# Altium PCB USBC_PD_Development_PCB.PcbDoc (part 1 of 3) (continued)
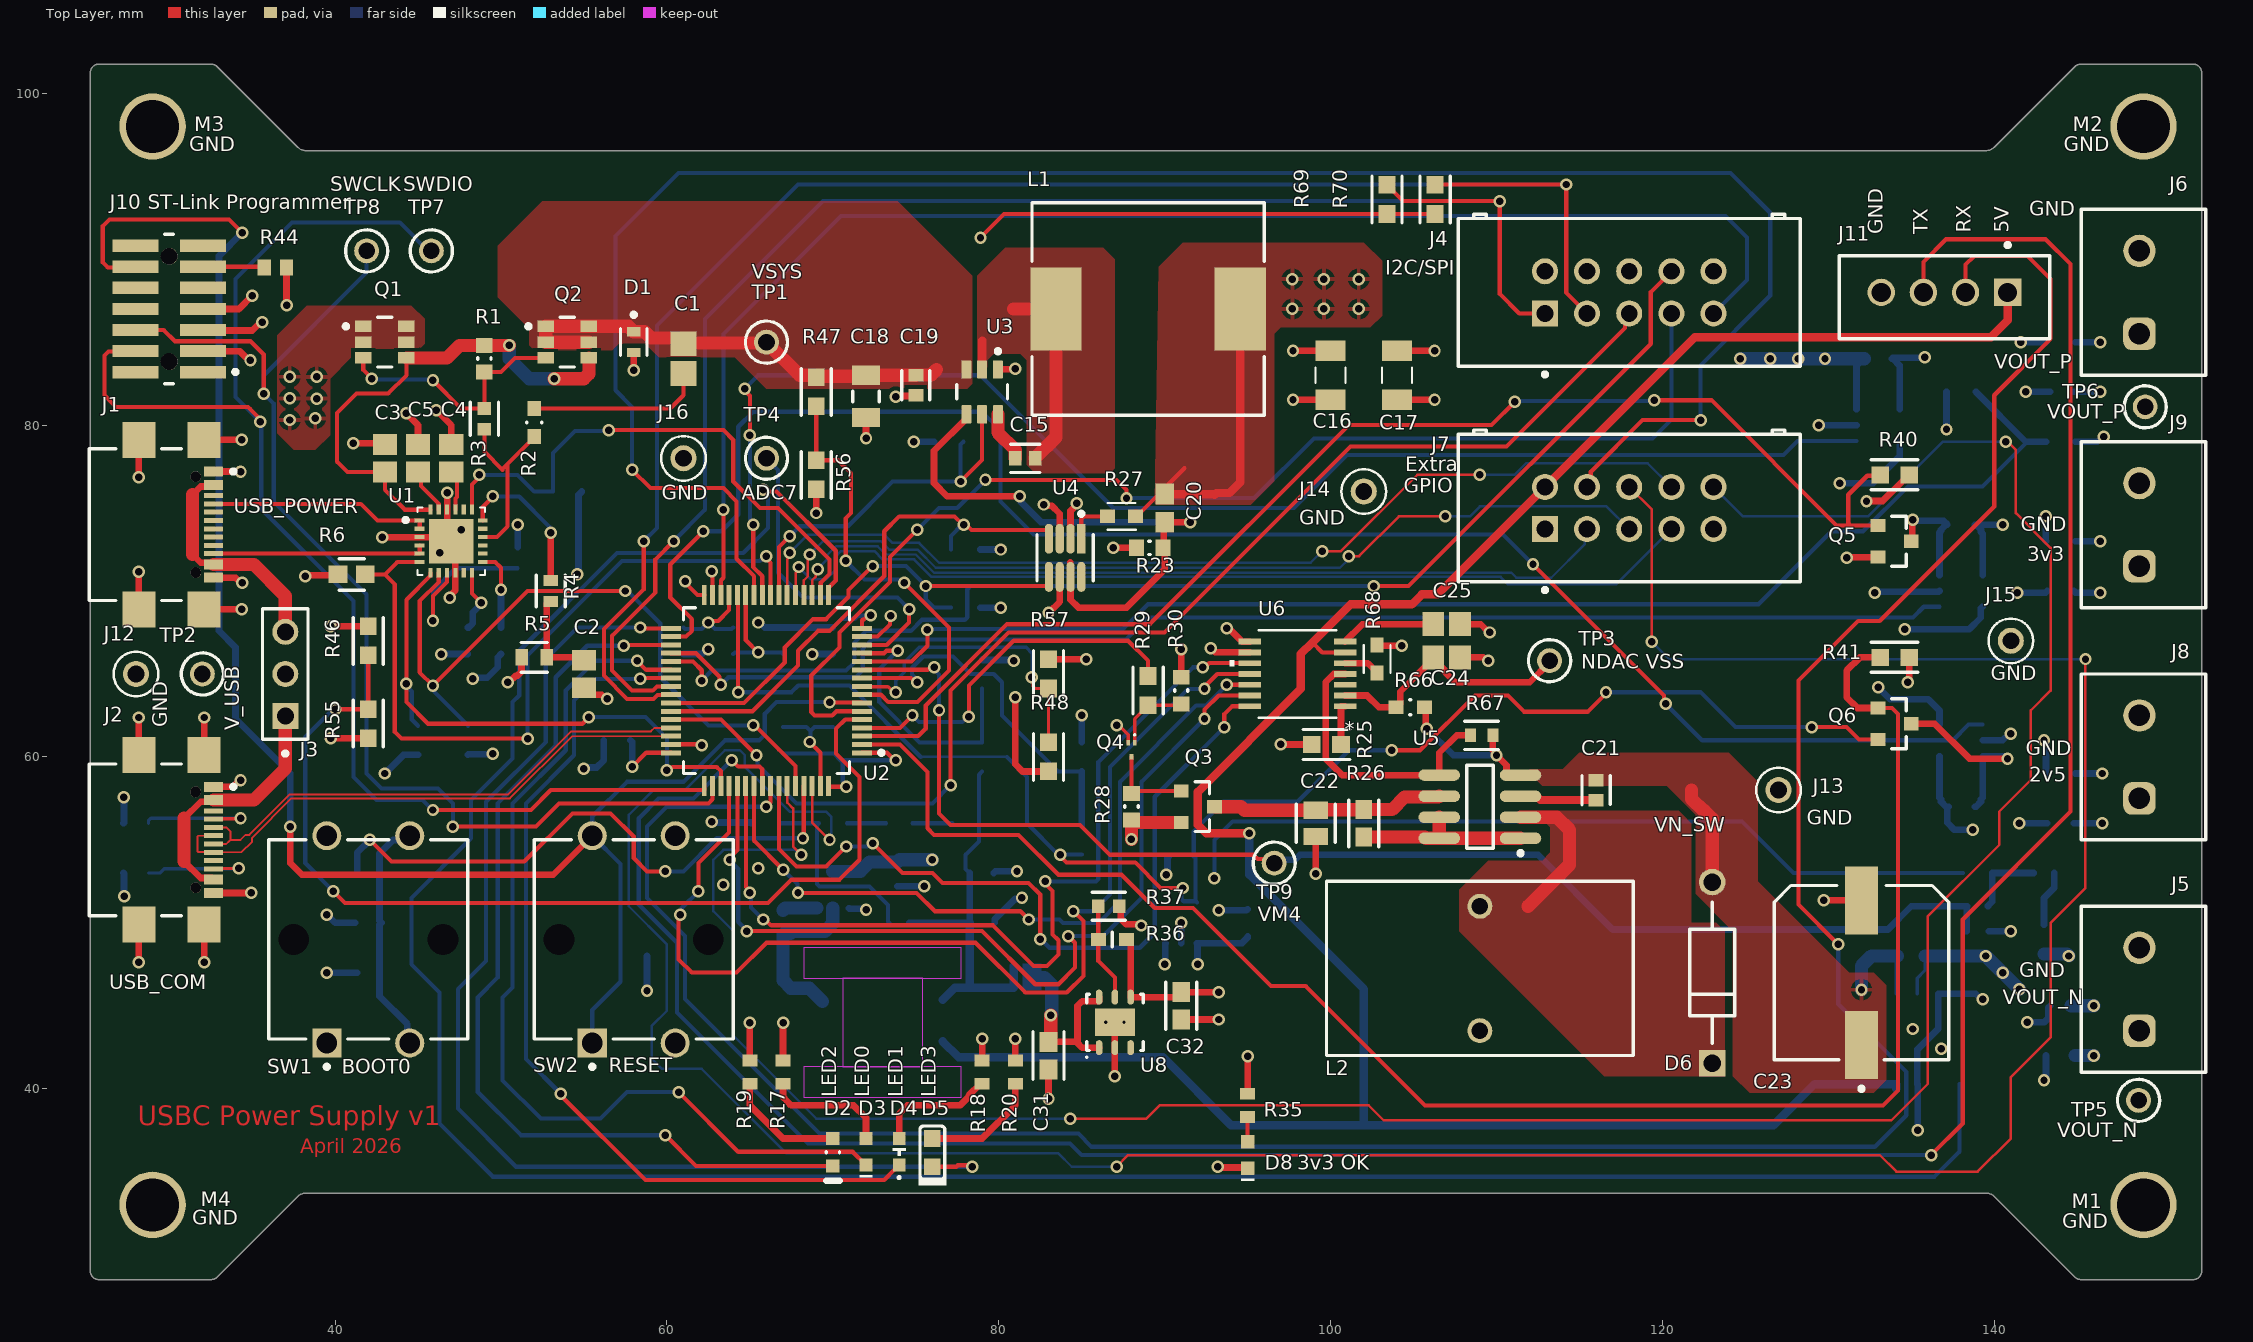
[diagram p0: Top Layer view]
## Design rules (kind name [scope] priority, off if disabled: settings)
BoardOutlineClearance [All] p1: gap=0.254 ignorepadtopadclearanceinfootprint=FALSE
Clearance [All] p1: gap=0.1 ignorepadtopadclearanceinfootprint=TRUE except(0: Arc-Hole Track-Hole SMDPad-Hole THPad-Hole Via-Hole Fill-Hole Poly-Hole Region-Hole Text-Hole; 0.15: SMDPad-SMDPad; 0.254: SMDPad-Via SMDPad-Fill SMDPad-Poly SMDPad-Region Via-Via Via-Fill Via-Poly Via-Region Fill-Fill Fill-Poly Fill-Region Poly-Poly Poly-Region Region-Region; 0.28: SMDPad-THPad SMDPad-Text THPad-THPad THPad-Via THPad-Fill THPad-Poly THPad-Region THPad-Text Via-Text Fill-Text Poly-Text Region-Text Text-Text)
DiffPairsRouting [All] p1: maxlimit=0.127 minlimit=0.127 mostfreqgap=0.127 toplayer_minwidth=0.111 toplayer_maxwidth=0.111 toplayer_prefwidth=0.111 bottomlayer_minwidth=0.111 bottomlayer_maxwidth=0.111 bottomlayer_prefwidth=0.111 impedanceprofiledriven=TRUE impedanceprofileid={F19896C7-770A-47F3-87AB-7DE8201EBE46} impedanceprofilevalue=90.000000 maxuncoupledlength=12.7
HoleSize [IsPad] p1: absolutevalues=TRUE maxlimit=10 minlimit=0.4 maxpercent=80.000 minpercent=20.000
HoleToHoleClearance [All] p1: gap=0.45 allowstackedmicrovias=TRUE
MinimumSolderMaskSliver [All] p1: minsoldermaskwidth=0.1
PlaneClearance [All] p1: clearance=0.508
PlaneConnect [All] p1: planeconnectstyle=Direct reliefexpansion=0.254 reliefentries=4 reliefconductorwidth=0.4 reliefairgap=0.254
PolygonConnect [All] p1: connectstyle=Direct reliefconductorwidth=0.254 reliefentries=4 polygonreliefangle="90 Angle" airgapwidth=0.254
RoutingVias [All] p1: holewidth=0.5 width=0.75 viastyle="Through Hole" minholewidth=0.15 minwidth=0.25 maxholewidth=6.3 maxwidth=10
SolderMaskExpansion [All] p1: expansion=0.102 istentingtop=FALSE
Width [All] p1: maxlimit=5 minlimit=0.1 preferedwidth=0.2 minimp=50.000000 maximp=50.000000 favimp=50.000000
24 further rules are at their usual default settings.

## Classes and differential pairs
component class USBC_PD_Controller: C1 C2 C3 C4 C5 D1 Q1 Q2 R1 R2 R3 R4 R5 R6 R7 R8 R9 TP1 U1
component class USB_C_Connectors: J1 J2 J3 R10 R11 TP2
component class Positive_Output: C15 C16 C17 C18 C19 C20 L1 R23 R24 R27 U3 U4
component class Negative_Output: C21 C22 C23 C24 C25 D6 L2 Q3 Q4 R25 R26 R28 R29 R30 R66 R67 R68 TP3 U5 U6
component class Measurements: R45 R46 R47 R48 R49 R50 R51 R52 R53 R54 R55 R56 R57 R58 R59 R60 R61 R62 R63 R64 R65 TP9 U10 U11 U12 U13
component class MCU: C6 C7 C8 C9 C10 C11 C12 C13 C14 D2 D3 D4 D5 R12 R13 R14 R15 R16 R17 R18 R19 R20 R21 R22 SW1 SW2 U2
component class Logic_Level_Output: C26 C27 C28 C29 C30 C31 C32 C33 C34 D7 D8 L3 R31 R32 R33 R34 R35 R36 R37 U7 U8 U9
component class External_Connectors: C35 C36 C37 C38 J4 J5 J6 J7 J8 J9 J10 J11 J12 J13 J14 J15 J16 M1 M2 M3 M4 Q5 Q6 R38 R39 R40 R41 R42 R43 R44 R69 R70 TP4 TP5 TP6 TP7 TP8
differential pair USBD: +USBD_P -USBD_N

## Components (designator, comment, footprint, x,y, rotation, side; value= is the part's Value field where it differs from the comment)
C1 "0.1u" CAPC2013X140X50ML20T25 61,84 r270 top
C2 "1uF" CAPC2013X145X50NL20T20 55,65 r270 top
C3 "1uF" CAPC2013X145X50NL20T20 43,78 r90 top
C4 "1uF" CAPC2013X145X50NL20T20 47,78 r90 top
C5 "1uF" CAPC2013X145X50NL20T20 45,78 r90 top
C6 "100n 0805" CAPC2013X145X50NL20T25 67,61 r270 bottom
C7 "100n 0805" CAPC2013X145X50NL20T25 70,61 r270 bottom
C8 "100n 0805" CAPC2013X145X50NL20T25 70,67 r90 bottom
C9 "100n 0805" CAPC2013X145X50NL20T25 67,67 r90 bottom
C10 "100n 0805" CAPC2013X145X50NL20T25 64,67 r90 bottom
C11 "1u" CAPC2013X145X50NL20T25 61,67 r90 bottom
C12 "4u7" CAPC2013X145X50NL20T25 57,61 r0 bottom
C13 "100n" CAPC2013X145X50NL20T25 58,48 r180 bottom
C14 "100n" CAPC2013X145X50NL20T25 42,50 r0 bottom
C15 "100n 50V" FP-C0603C-CF-MFG 81.6,78 r0 top value="0.10 μF"
C16 "CL31A226KAHNNNE" CL31H-0_2_MFG 100,83 r270 top
C17 "CL31A226KAHNNNE" CL31H-0_2_MFG 104,83 r270 top
C18 "10uF 50V" FP-CL31-IPC_C 72,81.724 r270 top value=10uF
C19 "100n 50V" FP-C0603C-CF-MFG 75,82.4 r270 top value="0.10 μF"
C20 "50V 75pF" CAPC1608X90X35ML15T15 90,75 r90 top
C21 "1n5" FP-C0603C-CF-MFG 116,58 r90 top value="1,500 pF"
C22 "10u" FP-C0805X106K8RACAUTO-MFG 99.1,56 r270 top
C23 "1000uF" FP-FTG-MFG 132,47 r90 top
C24 "10u" CAPC2013X145X50NL20T25 107,66 r180 top
C25 "1u" CAPC2013X145X50NL20T25 107,68 r180 top
C26 "100n" CAPC1608X90X35NL15T15 67,50 r90 bottom
C27 "10u" FP-C0805X106K8RACAUTO-MFG 74,53 r270 bottom
C28 "22u" FP-C0805C226M8PACTU-MFG 79,50 r0 bottom
C29 "22u" FP-C0805C226M8PACTU-MFG 79,53 r0 bottom
C30 "100p" FP-C0603C-CF-MFG 74,50 r180 bottom value="100 pF"
C31 "1u" FP-0603-L_1_6_0_15-W_0_81-IPC_A 83,42 r270 top
C32 "1u" FP-0603-L_1_6_0_15-W_0_81-IPC_A 91,45 r270 top
C33 "1u" FP-0603-L_1_6_0_15-W_0_81-IPC_A 95,50 r90 bottom
C34 "2u2" FP-CC0603-DC-MFG 91,54 r180 bottom
C35 "1u 35V" FP-CL10-IPC_C 144,45 r180 bottom
C36 "1u 35V" FP-CL10-IPC_C 144,82 r180 bottom
C37 "1u" CAPC2013X145X50NL20T25 144,56 r0 bottom
C38 "1u" CAPC2013X145X50NL20T25 144,70 r0 bottom
D1 "ESDA25P35-1U1M" FP-QFN_1610-MFG 58,85 r270 top
D2 "APT1608SGC" KING-APT1608SGC_V 70,36.175 r270 top
D3 "BLUE" WL-SMCW_0603_150060xx75000 72,36.2 r90 top
D4 "150060SS55040" WL-SMCD_0603 -1196,1306.2 r90 top
D5 "KP-1608SYCK" KING-0603LED_YELLOW_V 76,36.15 r90 top
D6 "1N5819-T" FP-DO-41_Plastic-MFG 123,47 r90 top value="110 pF"
D7 "PMEG3020EPASX" FP-SOT1061D-MFG 81.756,46.744 r0 bottom
D8 "BLUE" WL-SMCW_0603_150060xx75000 95,36 r90 top
J1 "USB4110-GF-A" FP-USB4110-GF-A-MFG 29,74 r270 top
J2 "USB4110-GF-A" FP-USB4110-GF-A-MFG 29,55 r270 top
J3 "22-28-4030" FP-22-28-4030-MFG 37,65 r90 top
J4 "302-S101" FP-302-S101-MFG 118,88 r0 top
J5 "691137710002" 691137710002 149,46 r90 top
J6 "691137710002" 691137710002 149,88 r90 top
J7 "302-S101" FP-302-S101-MFG 118,75 r0 top
J8 "691137710002" 691137710002 149,60 r90 top
J9 "691137710002" 691137710002 149,74 r90 top
J10 "FTSH-107-01-L-DV-K-A" FP-FTSH-107-01-L-DV-K-A-MFG 30,87 r90 top
J11 "280371-2" TECO-280371-2_V 137,88 r180 top
J12 "5001" FP-5001-MFG 28,65 r0 top
J13 "5001" FP-5001-MFG 127,58 r0 top
J14 "5001" FP-5001-MFG 102,76 r0 top
J15 "5001" FP-5001-MFG 141,67 r0 top
J16 "5001" FP-5001-MFG 61,78 r0 top
L1 "SRP1265A-100M" FP-SRP1265A-100M-MFG 89,87 r0 top
L2 "7447013" 7447013 109,47.25 r0 top
L3 "ETQP4M100KVK" FP-PCC-M0840M-LP-MFG 73,44 r0 bottom value=10uH
M1 "Mounting_Holes" Mountiing_Hole 149,33 r0 top
M2 "Mounting_Holes" Mountiing_Hole 149,98 r0 top
M3 "Mounting_Holes" Mountiing_Hole 29,98 r0 top
M4 "Mounting_Holes" Mountiing_Hole 29,33 r0 top
Q1 "FDC658P" FP-419BL-MFG 43,85 r0 top
Q2 "FDC658P" FP-419BL-MFG 54,85 r0 top
Q3 "DMG2301L-7" FP-SOT23-MFG 92,57 r0 top
Q4 "NST847BF3T5G" ONSC-SOT-1123-3-524AA_V 88,60.43 r270 top
Q5 "DMG2301L-7" FP-SOT23-MFG 134,73 r0 top
Q6 "DMG2301L-7" FP-SOT23-MFG 134,62 r0 top
R1 "100K" RESC0603(1608)_N 49,84 r90 top value="100000.00 Ohm"
R2 "120R" FP-SR0603-MFG 52,80.15 r270 top value=120Ω
R3 "CRGP0603F22K" FP-CRGP0603-IPC_C 49,80.373 r270 top value=22KΩ
R4 "1k" FP-MCT0603-IPC_C 53,70 r270 top
R5 "470R" FP-CRCW0603-HPe3-MFG 52,66 r180 top
R6 "10k" FP-CRCW0603-e3-IPC_A 41,71 r180 top
R7 "1k" FP-MCT0603-IPC_C 51,72 r270 bottom
R8 "100K" RESC0603(1608)_N 48,67 r90 bottom value="100000.00 Ohm"
R9 "100K" RESC0603(1608)_N 50,67 r90 bottom value="100000.00 Ohm"
R10 "5k1" FP-CRCW0603-C-MFG 28,56 r180 bottom
R11 "5k1" FP-CRCW0603-C-MFG 28,53 r180 bottom
R12 "4k7" FP-AC0603-IPC_A 54,76 r0 bottom
R13 "4k7" FP-AC0603-IPC_A 78,69 r0 bottom
R14 "4k7" FP-AC0603-IPC_A 78,72.5 r0 bottom
R15 "4k7" FP-AC0603-IPC_A 45,61 r270 bottom
R16 "4k7" FP-AC0603-IPC_A 48,61 r270 bottom
R17 "330R" RESC1608X55X25NL10T15 67,41 r90 top
R18 "330R" RESC1608X55X25NL10T15 79,41 r90 top
R19 "330R" RESC1608X55X25NL10T15 65,41 r90 top
R20 "330R" RESC1608X55X25NL10T15 81,41 r90 top
R21 "330R" RESC1608X55X30NL15T15 42,53 r180 bottom
R22 "10k" RESC1608X55X30NL15T15 42,47 r0 bottom
R23 "100K" RESC0603(1608)_N 89.1,72.6 r0 top value="100000.00 Ohm"
R24 "4k7" FP-AC0603-IPC_A 77,79 r0 bottom
R25 "4k7" FP-AC0603-IPC_A 99.75,60.75 r180 top
R26 "200mOhm" FP-CSR0603-IPC_A 102,56 r270 top
R27 "RT0603BRC07500RL" RESC16080X45_RT0603-0_55_MFG 87.4,74.5 r0 top
R28 "100K" RESC0603(1608)_N 88,57 r270 top value="100000.00 Ohm"
R29 "4k7" FP-AC0603-IPC_A 89,64 r90 top
R30 "100K" RESC0603(1608)_N 91,64 r270 top value="100000.00 Ohm"
R31 "100K" RESC0603(1608)_N 78,56 r0 bottom value="100000.00 Ohm"
R32 "100K" RESC0603(1608)_N 74,56 r0 bottom value="100000.00 Ohm"
R33 "47k" FP-AT0603-MFG 70,56 r180 bottom
R34 "47k" FP-AT0603-MFG 66,56 r180 bottom
R35 "330R" RESC1608X55X25NL10T15 95,39 r90 top
R36 "47k" FP-AT0603-MFG 86.85,49 r0 top
R37 "CRGP0603F15K" FP-CRGP0603-IPC_C 86.627,51 r0 top value=15KΩ
R38 "1MEG" FP-AC0603-IPC_A 144,42 r180 bottom
R39 "1MEG" FP-AC0603-IPC_A 144,85 r180 bottom
R40 "4k7" FP-AC0603-IPC_A 134,77 r0 top
R41 "4k7" FP-AC0603-IPC_A 134,66 r0 top
R42 "1MEG" FP-AC0603-IPC_A 144,73 r180 bottom
R43 "1MEG" FP-AC0603-IPC_A 144,59 r180 bottom
R44 "100R" RESC1608X55X30NL15T15 36.4,89.5 r0 top
R45 "100k" FP-AC0603-IPC_A 139,53 r180 bottom
R46 "1MEG" FP-AC0603-IPC_A 42,67 r270 top
R47 "1MEG" FP-AC0603-IPC_A 69,82 r270 top
R48 "100k" FP-AC0603-IPC_A 83,60 r270 top
R49 "100k" FP-AC0603-IPC_A 85,55 r270 bottom
R50 "1MEG" FP-AC0603-IPC_A 144,79 r180 bottom
R51 "200k" FP-RMCF0603-IPC_A 79,60 r90 bottom
R52 "33k" FP-CRGCQ0603-IPC_C 139,51 r180 bottom value=33KΩ
R53 "33k" FP-CRGCQ0603-IPC_C 143,53 r0 bottom value=33KΩ
R54 "10k" RESC1608X55X30NL15T15 139,49.5 r180 bottom
R55 "100k" FP-AC0603-IPC_A 42,62 r90 top
R56 "100k" FP-AC0603-IPC_A 69,77 r90 top
R57 "100k" FP-AC0603-IPC_A 83,65 r270 top
R58 "100k" FP-AC0603-IPC_A 85,60 r270 bottom
R59 "100k" FP-AC0603-IPC_A 138,82 r0 bottom
R60 "100k" FP-AC0603-IPC_A 79,65 r270 bottom
R61 "100k" FP-AC0603-IPC_A 143,49 r90 bottom
R62 "10milliOhm" FP-CSRF0603-high-IPC_A 135,48 r0 bottom
R63 "10milliOhm" FP-CSRF0603-high-IPC_A 133,84 r0 bottom
R64 "10milliOhm" FP-CSRF0603-high-IPC_A 138,57 r180 bottom
R65 "10milliOhm" FP-CSRF0603-high-IPC_A 138,74 r0 bottom
R66 "10R" FP-SR0603-MFG 104.8,63 r180 top value=10Ω
R67 "3k3 0603" FP-AC0603-IPC_C 109.1,61.3 r0 top
R68 "RT0603BRC07500RL" RESC16080X45_RT0603-0_55_MFG 102.8,65.9 r90 top
R69 "4k7" FP-AC0603-IPC_A 103.4,93.6 r270 top
R70 "4k7" FP-AC0603-IPC_A 106.3,93.6 r270 top
SW1 "B3F-4055" OMRON-B3F-4055_V 42,49 r90 top
SW2 "B3F-4055" OMRON-B3F-4055_V 58,49 r90 top
TP1 "5003" KSTN-5003 66,85 r0 top
TP2 "5003" KSTN-5003 32,65 r0 top
TP3 "5003" KSTN-5003 113.2,65.8 r0 top
TP4 "5003" KSTN-5003 66,78 r0 top
TP5 "5003" KSTN-5003 148.7,39.3 r0 top
TP6 "5003" KSTN-5003 149.1,81.1 r0 top
TP7 "5003" KSTN-5003 45.8,90.5 r0 top
TP8 "5003" KSTN-5003 41.9,90.5 r0 top
TP9 "5003" KSTN-5003 96.6,53.6 r0 top
U1 "STUSB4500QTR" FP-QFN-24-EP_4x4-MFG 47,73 r0 top
U2 "STM32G431RBT6" FP-LQFP64-5W-MFG 66,64 r180 top
U3 "TPS54302DDCR" FP-DDC0006A-MFG 79,82 r270 top
U4 "AD5245BRJZ50-RL7" FP-RJ-8-IPC_A 84,72 r270 top
U5 "MC34063EBD-TR" SO8_M 109,57 r180 top
U6 "AD5292BRUZ-50-RL7" RU-14_ADI 98,65 r180 top
U7 "AP63200WU-7" FP-TSOT26-MFG 70,52 r270 bottom
U8 "LD39100PUR" DFN6D_M 87,44 r90 top
U9 "ADP150AUJZ-2.5-R7" ADI-UJ-5_N 91,50 r90 bottom
U10 "INA180A2IDBVR" FP-DBV0005A-MFG 133,80 r0 bottom
U11 "INA180A2IDBVR" FP-DBV0005A-MFG 138,61 r180 bottom
U12 "INA180A2IDBVR" FP-DBV0005A-MFG 138,70 r0 bottom
U13 "MAX9919NASA+T" 21-0111D_S8E-14_MXM 136,43 r270 bottom

## Footprints (in the part's own frame and the unit in brackets; to place one, negate y for a bottom-side part, rotate by r counter-clockwise, add the part's x,y. Pads: shape width x height; smd on the part's side, far side on the other; paste and mask are expansions set on the pad)
21-0111D_S8E-14_MXM [mil]
  rect 57.5x21 smd paste+0 mask+0: 1(-107.25,75) 2(-107.25,25) 3(-107.25,-25) 4(-107.25,-75) 5(107.25,-75) 6(107.25,-25) 7(107.25,25) 8(107.25,75)
  rect 96x125 smd paste-62 mask+0: EPAD(0,0)
  silkscreen extent -84,-103 84,103, body extent -122,-98 122,98, height 66
7447013 [mm] "Leaded Toroidal Line Choke, 2-leads, body 18.5x10.5mm"
  round 1.5 hole 1: 1(0,3.75) 2(0,-3.75)
  silkscreen extent -9.25,-5.25 9.25,5.25, body extent -8.51,-4.15 8.51,4.15, height 16.81
691137710002 [mm] "Horizontal Cable Entry with Pressure Clamp, pitch 5mm, 02p"
  rrect50% 1.95x1.95 hole 1.3: 1(-2.5,0.25)
  round 1.95 hole 1.3: 2(2.5,0.25)
  silkscreen extent -5,-3.75 5,3.75, body extent -5,-3.75 5,3.75, height 11.6
ADI-UJ-5_N [mm] "SOT23, 5-Leads, Body 2.9x1.6mm, Pitch 0.95mm, IPC Medium Density"
  rect 0.95x0.6 smd: 1(-1.225,0.95) 2(-1.225,0) 3(-1.225,-0.95) 4(1.225,-0.95) 5(1.225,0.95)
  silkscreen extent -1.35,-1.45 0.35,1.93, body extent -0.8,-1.45 0.8,1.45, height 1
CAPC1608X90X35ML15T15 [mm] "Chip Capacitor, 2-Leads, Body 1.60x0.81mm, IPC Low Density"
  rect 1.25x1.1 smd: 1(-0.85,0) 2(0.85,0)
  body extent -0.88,-0.48 0.87,0.48, height 0.9
CAPC1608X90X35NL15T15 [mm] "Chip Capacitor, 2-Leads, Body 1.60x0.81mm, IPC Medium Density"
  rect 1.05x1 smd: 1(-0.75,0) 2(0.75,0)
  body extent -0.88,-0.48 0.87,0.48, height 0.9
CAPC2013X140X50ML20T25 [mm] "Chip Capacitor, 2-Leads, Body 2.00x1.25mm, IPC Low Density"
  rect 1.5x1.55 smd: 1(-0.9,0) 2(0.9,0)
  body extent -1.1,-0.72 1.1,0.72, height 1.4
CAPC2013X145X50NL20T20 [mm] "Chip Capacitor, 2-Leads, Body 2.00x1.25mm, IPC Medium Density"
  rect 1.25x1.45 smd: 1(-0.825,0) 2(0.825,0)
  body extent -1.1,-0.72 1.1,0.72, height 1.45
CAPC2013X145X50NL20T25 [mm] "Chip Capacitor, 2-Leads, Body 2.00x1.25mm, IPC Medium Density"
  rect 1.3x1.45 smd: 1(-0.8,0) 2(0.8,0)
  body extent -1.1,-0.72 1.1,0.72, height 1.45
CL31H-0_2_MFG [mm] "Recommended Land Pattern"
  rect 1.25x1.8 smd: 1(-1.475,0) 2(1.475,0)
  silkscreen extent -0.48,-0.9 0.48,0.9, body extent -1.6,-0.8 1.6,0.8, height 1.8
DFN6D_M [mm] "SON, 6-Leads, Body 3x3mm, Pitch 0.95mm, Thermal Pad 2.4x1.65mm, IPC Low Density"
  oval 0.9x0.4 smd: 1(-1.525,0.95) 2(-1.525,0) 3(-1.525,-0.95) 4(1.525,-0.95) 5(1.525,0) 6(1.525,0.95)
  rect 1.65x2.4 smd: 7(0,0)
  silkscreen extent -2.15,-1.7 1.7,1.75, body extent -1.55,-1.55 1.55,1.55, height 0.95
FP-22-28-4030-MFG [mm]
  rect 1.57x1.57 hole 1.02 paste-1000 mask+0: 1(-2.54,0)
  round 1.57 hole 1.02 paste-1000 mask+0: 2(0,0) 3(2.54,0)
  silkscreen extent -4.92,-1.37 3.94,1.37, body extent -4.04,-1.47 4.04,1.47, height 0.25
FP-302-S101-MFG [mm]
  rect 1.57x1.57 hole 1.02 paste-1000 mask+0: 1(-5.08,-1.27)
  round 1.57 hole 1.02 paste-1000 mask+0: 2(-5.08,1.27) 3(-2.54,-1.27) 4(-2.54,1.27) 5(0,-1.27) 6(0,1.27) 7(2.54,-1.27) 8(2.54,1.27) 9(5.08,-1.27) 10(5.08,1.27)
  silkscreen extent -10.3,-5.07 10.3,4.7, body extent -10.4,-4.55 10.4,4.8, height 0.25
FP-419BL-MFG [mm]
  rect 1x0.7 smd paste+0 mask+0: 1(-1.3,0.95) 2(-1.3,0) 3(-1.3,-0.95) 4(1.3,-0.95) 5(1.3,0) 6(1.3,0.95)
  silkscreen extent -2.47,-1.5 0.43,1.5, body extent -1.9,-1.85 1.9,1.85, height 0.25
FP-0603-L_1_6_0_15-W_0_81-IPC_A [mil]
  rect 47.5x42.06 smd paste+0 mask+0: 1(-32.51,0) 2(32.51,0)
  silkscreen extent -56,-37 56,37, body extent -76,-41 76,41, height 10
FP-5001-MFG [mm]
  round 1.57 hole 1.016 paste-1000 mask+0: 1(0,0)
  silkscreen extent -1.35,-1.34 1.35,1.34, body extent -1.45,-1.45 1.45,1.45, height 0.25
FP-AC0603-IPC_A [mm]
  rect 1.059x1.012 smd paste+0 mask+0: 1(-0.877,0) 2(0.877,0)
  silkscreen extent -1.41,-0.91 1.41,0.91, body extent -0.8,-0.4 0.8,0.4, height 0.55
FP-AC0603-IPC_C [mm]
  rect 0.659x0.812 smd paste+0 mask+0: 1(-0.677,0) 2(0.677,0)
  silkscreen extent -1.01,-0.85 1.01,0.85, body extent -1.11,-0.55 1.11,0.55, height 0.25
FP-AT0603-MFG [mm]
  rect 0.9x0.8 smd paste+0 mask+0: 1(-0.85,0) 2(0.85,0)
  silkscreen extent 0,-0.45 0,0.45, body extent -0.8,-0.4 0.8,0.4, height 0.55
FP-C0603C-CF-MFG [mm]
  rect 0.75x0.9 smd paste+0 mask+0: 1(-0.6,0) 2(0.6,0)
  silkscreen extent -0.87,-0.85 0.88,0.85, body extent -1.2,-0.6 1.2,0.6, height 0.25
FP-C0805C226M8PACTU-MFG [mm]
  rect 0.95x1.35 smd paste+0 mask+0: 1(-0.75,0) 2(0.75,0)
  silkscreen extent -1.22,-1.05 1.22,1.05, body extent -1,-0.63 1,0.63, height 1.45
FP-C0805X106K8RACAUTO-MFG [mm]
  rect 1.04x1.46 smd paste+0 mask+0: 1(-0.79,0) 2(0.79,0)
  silkscreen extent -1.15,-1.17 1.15,1.17, body extent -1.41,-0.87 1.41,0.87, height 0.25
FP-CC0603-DC-MFG [mm]
  rect 0.8x0.9 smd paste+0 mask+0: 1(-0.75,0) 2(0.75,0)
  silkscreen extent -0.85,-0.87 0.85,0.87, body extent -0.8,-0.4 0.8,0.4, height 0.9
FP-CL10-IPC_C [mm]
  rect 0.758x0.812 smd paste+0 mask+0: 1(-0.627,0) 2(0.627,0)
  silkscreen extent -1.01,-0.85 1.01,0.85, body extent -0.8,-0.4 0.8,0.4, height 0.9
FP-CL31-IPC_C [mm]
  rect 1.154x1.706 smd paste+0 mask+0: 1(-1.276,0) 2(1.276,0)
  silkscreen extent -0.32,-0.8 0.32,0.8, body extent -1.95,-1 1.95,1, height 0.25
FP-CRCW0603-C-MFG [mm]
  rect 0.5x0.9 smd paste+0 mask+0: 1(-0.75,0) 2(0.75,0)
  silkscreen extent -0.13,-0.45 0.13,0.45, body extent -0.77,-0.4 0.77,0.4, height 0.5
FP-CRCW0603-e3-IPC_A [mm]
  rect 1.135x1.062 smd paste+0 mask+0: 1(-0.815,0) 2(0.815,0)
  silkscreen extent -0.75,-0.95 0.75,0.95, body extent -1.88,-1.03 1.88,1.03, height 0.25
FP-CRCW0603-HPe3-MFG [mm]
  rect 0.75x1 smd paste+0 mask+0: 1(-0.75,0) 2(0.75,0)
  silkscreen extent -0.8,-0.9 0.8,0.9, body extent -1.22,-0.6 1.22,0.6, height 0.25
FP-CRGCQ0603-IPC_C [mm]
  rect 0.758x0.812 smd paste+0 mask+0: 1(-0.627,0) 2(0.627,0)
  silkscreen extent -1.01,-0.85 1.01,0.85, body extent -0.8,-0.4 0.8,0.4, height 0.55
FP-CRGP0603-IPC_C [mm]
  rect 0.758x0.812 smd paste+0 mask+0: 1(-0.627,0) 2(0.627,0)
  silkscreen extent -1.01,-0.85 1.01,0.85, body extent -1.11,-0.55 1.11,0.55, height 0.25
FP-CSR0603-IPC_A [mm]
  rect 1.158x1.012 smd paste+0 mask+0: 1(-0.827,0) 2(0.827,0)
  silkscreen extent -1.41,-0.91 1.41,0.91, body extent -1.91,-1.01 1.91,1.01, height 0.25
FP-CSRF0603-high-IPC_A [mm]
  rect 1.158x1.012 smd paste+0 mask+0: 1(-0.827,0) 2(0.827,0)
  silkscreen extent -1.41,-0.91 1.41,0.91, body extent -0.8,-0.4 0.8,0.4, height 0.7
FP-DBV0005A-MFG [mm]
  rrect17% 1.1x0.6 smd paste+0 mask+0: 1(-1.3,0.95) 2(-1.3,0) 3(-1.3,-0.95) 4(1.3,-0.95) 5(1.3,0.95)
  silkscreen extent -2.57,-1.53 0.87,1.53, body extent -1.4,-1.45 1.4,1.45, height 1.45
FP-DDC0006A-MFG [mm]
  rrect17% 1.1x0.6 smd paste+0 mask+0: 1(-1.35,0.95) 2(-1.35,0) 3(-1.35,-0.95) 4(1.35,-0.95) 5(1.35,0) 6(1.35,0.95)
  silkscreen extent -2.57,-1.53 0.43,1.53, body extent -2,-1.63 2,1.63, height 0.25
FP-DO-41_Plastic-MFG [mm]
  rect 1.6x1.6 hole 1.05 paste-1000 mask+0: 1(-5.456,0)
  round 1.6 hole 1.05 paste-1000 mask+0: 2(5.456,0)
  silkscreen extent -4.26,-1.36 4.26,1.36, body extent -6.36,-1.46 6.36,1.46, height 0.25
FP-FTG-MFG [mm]
  rect 4.1x2 smd paste+0 mask+0: 1(-4.35,0) 2(4.35,0)
  silkscreen extent -7.12,-5.25 5.25,5.25, body extent -6.65,-5.5 6.65,5.5, height 0.25
FP-FTSH-107-01-L-DV-K-A-MFG [mm]
  rect 0.74x2.79 smd paste+0 mask+0: 1(-3.81,-2.035) 2(-3.81,2.035) 3(-2.54,-2.035) 4(-2.54,2.035) 5(-1.27,-2.035) 6(-1.27,2.035) 7(0,-2.035) 8(0,2.035) 9(1.27,-2.035) 10(1.27,2.035) 11(2.54,-2.035) 12(2.54,2.035) 13(3.81,-2.035) 14(3.81,2.035)
  round 1.02 hole 1.02 unplated paste-1000 mask+0: ""(-3.175,0) ""(3.175,0)
  silkscreen extent -4.51,-4.12 4.51,0.27, body extent -4.44,-2.92 4.44,2.92, height 6.38
FP-LQFP64-5W-MFG [mm]
  rect 1.2x0.3 smd paste+0 mask+0: 1(-5.75,3.75) 2(-5.75,3.25) 3(-5.75,2.75) 4(-5.75,2.25) 5(-5.75,1.75) 6(-5.75,1.25) 7(-5.75,0.75) 8(-5.75,0.25) 9(-5.75,-0.25) 10(-5.75,-0.75) 11(-5.75,-1.25) 12(-5.75,-1.75) 13(-5.75,-2.25) 14(-5.75,-2.75) 15(-5.75,-3.25) 16(-5.75,-3.75) 33(5.75,-3.75) 34(5.75,-3.25) 35(5.75,-2.75) 36(5.75,-2.25) 37(5.75,-1.75) 38(5.75,-1.25) 39(5.75,-0.75) 40(5.75,-0.25) 41(5.75,0.25) 42(5.75,0.75) 43(5.75,1.25) 44(5.75,1.75) 45(5.75,2.25) 46(5.75,2.75) 47(5.75,3.25) 48(5.75,3.75)
  rect 0.3x1.2 smd paste+0 mask+0: 17(-3.75,-5.75) 18(-3.25,-5.75) 19(-2.75,-5.75) 20(-2.25,-5.75) 21(-1.75,-5.75) 22(-1.25,-5.75) 23(-0.75,-5.75) 24(-0.25,-5.75) 25(0.25,-5.75) 26(0.75,-5.75) 27(1.25,-5.75) 28(1.75,-5.75) 29(2.25,-5.75) 30(2.75,-5.75) 31(3.25,-5.75) 32(3.75,-5.75) 49(3.75,5.75) 50(3.25,5.75) 51(2.75,5.75) 52(2.25,5.75) 53(1.75,5.75) 54(1.25,5.75) 55(0.75,5.75) 56(0.25,5.75) 57(-0.25,5.75) 58(-0.75,5.75) 59(-1.25,5.75) 60(-1.75,5.75) 61(-2.25,5.75) 62(-2.75,5.75) 63(-3.25,5.75) 64(-3.75,5.75)
  silkscreen extent -7.05,-5 5,5, body extent -6.45,-6.45 6.45,6.45, height 0.25
FP-MCT0603-IPC_C [mm]
  rect 0.664x0.862 smd paste+0 mask+0: 1(-0.629,0) 2(0.629,0)
  silkscreen extent -0.96,-0.87 0.96,0.87, body extent -1.06,-0.58 1.06,0.58, height 0.25
FP-PCC-M0840M-LP-MFG [mil]
  rect 95x210 smd paste+0 mask+0: 1(-142.5,0) 2(142.5,0)
  Keep-Out Layer region: -95,105 95,105 95,-105 -95,-105
  Keep-Out Layer region: -187.01,177.17 187.01,177.17 187.01,105 -187.01,105
  Keep-Out Layer region: -187.01,-105 187.01,-105 187.01,-177.17 -187.01,-177.17
  silkscreen extent -165,-165 165,165, body extent -173,-157 173,157, height 158
FP-QFN-24-EP_4x4-MFG [mm]
  rect 0.6x0.25 smd paste+0 mask+0: 1(-1.9,1.25) 2(-1.9,0.75) 3(-1.9,0.25) 4(-1.9,-0.25) 5(-1.9,-0.75) 6(-1.9,-1.25) 13(1.9,-1.25) 14(1.9,-0.75) 15(1.9,-0.25) 16(1.9,0.25) 17(1.9,0.75) 18(1.9,1.25)
  rect 0.25x0.6 smd paste+0 mask+0: 7(-1.25,-1.9) 8(-0.75,-1.9) 9(-0.25,-1.9) 10(0.25,-1.9) 11(0.75,-1.9) 12(1.25,-1.9) 19(1.25,1.9) 20(0.75,1.9) 21(0.25,1.9) 22(-0.25,1.9) 23(-0.75,1.9) 24(-1.25,1.9)
  rect 2.7x2.7 smd paste+0 mask+0: 25(0,0)
  silkscreen extent -2.87,-2.02 2.02,2.02, body extent -2.3,-2.3 2.3,2.3, height 0.25
FP-QFN_1610-MFG [mm]
  rect 0.55x0.8 smd paste-1000 mask+0: 1(-0.625,0) 2(0.625,0)
  silkscreen extent -1.77,-0.8 0.8,0.8, body extent -1,-0.6 1,0.6, height 0.25
FP-RJ-8-IPC_A [mm]
  rect 1.805x0.495 smd paste+0 mask+0: 1(-1.15,0.975)
  rrect100% 1.805x0.495 smd paste+0 mask+0: 2(-1.15,0.325) 3(-1.15,-0.325) 4(-1.15,-0.975) 5(1.15,-0.975) 6(1.15,-0.325) 7(1.15,0.325) 8(1.15,0.975)
  silkscreen extent -2.78,-1.7 1.4,1.7, body extent -2.55,-1.95 2.55,1.95, height 0.25
FP-RMCF0603-IPC_A [mm]
  rect 1.206x1.058 smd paste+0 mask+0: 1(-0.801,0) 2(0.801,0)
  silkscreen extent -1.4,-0.93 1.4,0.93, body extent -0.77,-0.4 0.77,0.4, height 0.55
FP-SOT23-MFG [mm]
  rect 0.9x0.8 smd paste+0 mask+0: 1(-1,0.95) 2(-1,-0.95) 3(1,0)
  silkscreen extent -0.18,-1.5 0.7,1.5, body extent -1.55,-1.6 1.55,1.6, height 0.25
FP-SOT1061D-MFG [mm]
  rect 0.6x0.4 smd paste-1000 mask+0: 1(-0.85,0.65) 2(-0.85,-0.65)
  round 0.979 smd paste-1000 mask+0: 3(0.244,-0.256)
  Top Layer region: -0.3,0.8 0.8,0.8 0.8,0.2 1.15,0.2 1.15,-0.2 0.8,-0.2 0.8,-0.8 -0.3,-0.8 -0.3,0.8
  silkscreen extent -1.05,-1.35 1.05,1.35, body extent -1.01,-1 1,1, height 0.65
FP-SR0603-MFG [mm]
  rect 0.9x0.8 smd paste+0 mask+0: 1(-0.85,0) 2(0.85,0)
  silkscreen extent -0.03,-0.45 0.03,0.45, body extent -1.4,-0.55 1.4,0.55, height 0.25
FP-SRP1265A-100M-MFG [mm]
  rect 3.1x5 smd paste+0 mask+0: 1(-5.55,0) 2(5.55,0)
  silkscreen extent -7,-6.4 7,6.4, body extent -7.2,-6.5 7.2,6.5, height 0.25
FP-TSOT26-MFG [mm]
  rect 1x0.7 smd paste+0 mask+0: 1(-1.099,0.95) 2(-1.099,0) 3(-1.099,-0.95) 4(1.099,-0.95) 5(1.099,0) 6(1.099,0.95)
  silkscreen extent -2.32,-1.5 0.22,1.5, body extent -1.4,-1.45 1.4,1.45, height 1
FP-USB4110-GF-A-MFG [mm]
  rect 2.18x2 smd paste+0 mask+0: 1(-5.11,3.105) 2(5.11,3.105) 3(-5.11,-0.825) 4(5.11,-0.825)
  rect 0.6x1.15 smd paste+0 mask+0: A1-B12(-3.2,3.68) A4-B9(-2.4,3.68) B1-A12(3.2,3.68) B4-A9(2.4,3.68)
  rect 0.3x1.15 smd paste+0 mask+0: A5(-1.25,3.68) A6(-0.25,3.68) A7(0.25,3.68) A8(1.25,3.68) B5(1.75,3.68) B6(0.75,3.68) B7(-0.75,3.68) B8(-1.75,3.68)
  round 0.65 hole 0.65 unplated paste-1000 mask+0: ""(-2.89,2.605) ""(2.89,2.605)
  silkscreen extent -4.57,-3.83 4.57,4.99, body extent -6.3,-3.92 6.3,4.36, height 0.25
KING-0603LED_YELLOW_V [mm] "SMT LED, 2-Leads, Body 1.6x0.8mm (0603-Size)"
  rect 1x1 smd paste+0 mask+0: 1(0.85,0) 2(-0.85,0)
  silkscreen extent -1.97,-0.85 1.6,0.85, body extent -0.92,-0.53 1.09,0.53, height 1.1
KING-APT1608SGC_V [mm] "SMD, 2-Leads, Body 0.8x1.6mm"
  rect 0.8x0.8 smd: 1(-0.825,0) 2(0.825,0)
  silkscreen extent -0.03,-0.4 1.73,0.4, body extent -0.8,-0.4 0.81,0.4, height 0.76
KSTN-5003 [mm] "Test Point, Through Hole, Dia 2.54mm"
  round 1.5 hole 1: 1(0,0)
  silkscreen extent -1.27,-1.27 1.27,1.27, body extent -1.27,-1.27 1.27,1.27, height 4.57
Mountiing_Hole [mm]
  round 4 hole 3.2: M(0,0)
OMRON-B3F-4055_V [mm] "THD, 4-Leads, Body 12x12mm"
  rect 1.75x1.75 hole 1.25: 1(-6.25,2.5)
  round 1.75 hole 1.25: 2(6.25,2.5) 3(-6.25,-2.5) 4(6.25,-2.5)
  round 1.55 hole 1.85 unplated: MH1(0,4.5) MH2(0,-4.5)
  silkscreen extent -7.8,-6 6,6, body extent -6,-6 6,6, height 7.5
ONSC-SOT-1123-3-524AA_V [mm] "SOT223, 3-Leads, Body 0.8x0.6mm, Pitch 0.38mm"
  rect 0.34x0.2 smd: 1(-0.43,0.19) 2(-0.43,-0.19)
  rect 0.34x0.26 smd: 3(0.43,0)
  silkscreen extent -0.95,0.14 -0.85,0.24, body extent -0.4,-0.3 0.4,0.3, height 0.4
RESC0603(1608)_N [mm] "Chip Resistor, Body 1.6x0.8mm, IPC Medium Density"
  rect 0.9x1 smd: 1(-0.8,0) 2(0.8,0)
  silkscreen extent -0.05,-0.4 0.05,0.4, body extent -0.85,-0.47 0.85,0.47, height 0.6
RESC1608X55X25NL10T15 [mm] "Chip Resistor, 2-Leads, Body 1.70x0.90mm, IPC Medium Density"
  rect 0.7x0.9 smd: 1(-0.7,0) 2(0.7,0)
  body extent -0.85,-0.45 0.85,0.45, height 0.55
RESC1608X55X30NL15T15 [mm] "Chip Resistor, 2-Leads, Body 1.60x0.80mm, IPC Medium Density"
  rect 0.8x0.95 smd: 1(-0.675,0) 2(0.675,0)
  body extent -0.87,-0.48 0.87,0.48, height 0.55
RESC16080X45_RT0603-0_55_MFG [mm]
  rect 0.9x0.8 smd: 1(-0.85,0) 2(0.85,0)
  silkscreen extent -0.85,-0.81 0.86,0.8, body extent -1.4,-0.55 1.4,0.55, height 0.25
RU-14_ADI [mm]
  rect 1.356x0.351 smd paste+0 mask+0: 1(-2.878,1.95) 2(-2.878,1.3) 3(-2.878,0.65) 4(-2.878,0) 5(-2.878,-0.65) 6(-2.878,-1.3) 7(-2.878,-1.95) 8(2.878,-1.95) 9(2.878,-1.3) 10(2.878,-0.65) 11(2.878,0) 12(2.878,0.65) 13(2.878,1.3) 14(2.878,1.95)
  silkscreen extent -2.33,-2.63 4.06,2.63, body extent -3.2,-2.5 3.2,2.5, height 1.2
SO8_M [mm] "SOIC, 8-Leads, Body 4.9x3.9mm, Pitch 1.27mm, IPC Low Density"
  oval 2.5x0.7 smd: 1(-2.45,1.905) 2(-2.45,0.635) 3(-2.45,-0.635) 4(-2.45,-1.905) 5(2.45,-1.905) 6(2.45,-0.635) 7(2.45,0.635) 8(2.45,1.905)
  silkscreen extent -2.58,-2.5 0.8,2.93, body extent -2,-2.5 2,2.5, height 1.75
TECO-280371-2_V [mm] "Male Header, 4-Leads, Body 12.7x5mm, Pitch 2.54"
  rect 1.65x1.65 hole 1.15: 1(-3.81,0)
  round 1.65 hole 1.15: 2(-1.27,0) 3(1.27,0) 4(3.81,0)
  silkscreen extent -6.35,-2.97 6.35,2.8, body extent -6.22,-2.21 6.23,2.79, height 12.6
WL-SMCD_0603 [mm] "SMD Mono-color Chip LED, body 1.6x0.8mm"
  rect 0.8x0.75 smd: 1(-1270.8,-1270) 2(-1269.2,-1270)
  silkscreen extent -1271.62,-1270.4 -1269.78,-1269.6, body extent -1270.8,-1270.4 -1269.2,-1269.6, height 0.42
WL-SMCW_0603_150060xx75000 [mm] "SMD Mono-color Chip LED, body 1.60 x 0.80 mm"
  rect 0.8x0.8 smd: 1(-0.8,0) 2(0.8,0)
  silkscreen extent -1.55,-0.4 -1.4,0.4, body extent -0.8,-0.4 0.8,0.4, height 0.7

## Part data
C1: library part CMP-2007-04651-1, Manufacturer="AVX Interconnect / Elco", Part Number=0805DD104KAT2A
C2 C3 C4 C5: library part CMP-2007-01676-1, Manufacturer=Vitramon, Part Number=VJ0805Y105KXQRW1BC
C6 C7 C8 C9 C10 C11 C12 C13 C14 C24 C25 C37 C38: library part CMP-2007-01213-1, Manufacturer=Kemet, Part Number=C0805C106M9RACTU
C15 C19: library part CMP-2006-03061-2, "CAP CER 0.1UF 50V X7R 0603", Capacitance="0.10 μF", Manufacturer=KEMET, Manufacturer Part Number=C0603C104K5RACTU, Package=C0603C-CF, Temperature="-55°C to +125°C", Temperature Characteristic=X7R, Temperature Coefficient=30ppm/°C, Temperature Range High=+125°C, Temperature Range Low=-55°C, Tolerance=0.1, Voltage Rating="50 V", Automotive=Yes, Automotive Grade="Grade 1", Category=Cap, ComponentLink2Description=Datasheet, ComponentLink2URL=https://api.kemet.com/component-edge/download/datasheet/C0603C100J5GACAUTO.pdf, Device Class L1="Passive Components", Device Class L2=Capacitors, Device Class L3="Ceramic Capacitors", Digikey Description="CAP CER 0.1UF 50V X7R 0603", Height=0.87mm, Lead Free=Yes, Material=Ceramic, Octopart=https://octopart.com/c0603c104k5ractu-kemet-139244, RoHS=TRUE
C16 C17: library part CMP-13271-000012-2, "Ceramic Capacitor, Multilayer, Ceramic, 25V, 10% +Tol, 10% -Tol, X5R, 15% TC, 22uF, Surface Mount, 1206", Capacitance=22µF, Case/Package=1206, Dielectric=X5R, Max Operating Temperature=85°C, Min Operating Temperature=-55°C, Tolerance=10%, Voltage Rating=25V, ComponentLink2Description="Datasheet URL", ComponentLink2URL=https://product.samsungsem.com/mlcc/CL31A226KAHNNN.do, Height=1.8mm, HelpURL=https://product.samsungsem.com/mlcc/CL31A226KAHNNN.do, Material=Ceramic, RoHS=Compliant, Voltage Rating (DC)=25V
C18: library part CMP-13271-000016-1, "CAP CER 10UF 50V X5R 1206", Capacitance=10uF, Manufacturer=Samsung, Manufacturer Part Number=CL31A106KBHNNNE, Package=CL31, Temperature="-55°C to +85°C", Temperature Characteristic=X5R, Temperature Coefficient=15%, Temperature Range High=+85°C, Temperature Range Low=-55°C, Tolerance=10%, Voltage=50V, Automotive=No, Category=Cap, ComponentLink2Description=Datasheet, ComponentLink2URL=http://www.samsungsem.com/kr/support/product-search/mlcc/__icsFiles/afieldfile/2018/06/21/CL31A106KBHNNNE.pdf, Device Class L1="Passive Components", Device Class L2=Capacitors, Device Class L3="Ceramic Capacitors", Digikey Description="CAP CER 10UF 50V X5R 1206", Height=1.8mm, Ipc Land Pattern Name=CAPC320160X160, Lead Free=Yes, Material=Ceramic, Octopart=https://octopart.com/cl31a106kbhnnne-samsung-19832778, RoHS=TRUE, Voltage Rating=50V
C20: library part CMP-2006-04358-1, Manufacturer="AVX Interconnect / Elco", Part Number=06035A750JAT2A
C21: library part CMP-03020-017874-1, "C0603 1,500 pF X7R 30ppm/°C 5.00% 50 V", Capacitance="1,500 pF", Manufacturer=KEMET, Manufacturer Part Number=C0603C152J5RACAUTO, Package=C0603C-CF, Temperature="-55°C to +125°C", Temperature Characteristic=X7R, Temperature Coefficient=30ppm/°C, Temperature Range High=+125°C, Temperature Range Low=-55°C, Tolerance=0.05, Voltage Rating="50 V", Automotive=Yes, Automotive Grade="Grade 1", Category=Cap, ComponentLink2Description=Datasheet, ComponentLink2URL=https://api.kemet.com/component-edge/download/datasheet/C0603C100J5GACAUTO.pdf, Device Class L1="Passive Components", Device Class L2=Capacitors, Device Class L3="Ceramic Capacitors", Height=0.87mm, Lead Free=Yes, Material=Ceramic, Octopart=https://octopart.com/c0603c152j5racauto-kemet-48652793, RoHS=TRUE
C22 C27: library part CMP-03020-034694-1, "CAP CER 10UF 10V X7R 0805", Capacitance=10uF, Case Code (Imperial)=0805, Case Code (Metric)=2012, Max Operating Temperature=125°C, Min Operating Temperature=-55°C, Ratings=AEC-Q200, Tolerance=10%, Voltage Rating=10V, Case/Package=0805, Features="Soft Termination", Mount="Surface Mount", Packaging="Cut Tape", RoHS Compliant=Yes
C23: library part CMP-05427-000029-1, "CAP ALUM 1000UF 20% 25V SMD"
C26: library part CMP-2006-02299-1, Manufacturer=Kemet, Part Number=C0603C104K4RAC7013
C28 C29: library part CMP-03020-034697-1, "CAP CER 22UF 10V X5R 0805", Capacitance=22uF, Case Code (Imperial)=0805, Case Code (Metric)=2012, Dielectric=X5R, Dielectric Material=Ceramic, Max Operating Temperature=85°C, Min Operating Temperature=-55°C, Tolerance=20%, Voltage=10V, Case/Package=0805, Depth=1.25mm, Dissipation Factor=10%, Height=1.25mm, Lead Free="Lead Free", Length=0.079inch, Mount="Surface Mount", Packaging="Tape and Reel", RoHS Compliant=Yes, Termination=Solder, Thickness=0.055inch, Voltage Rating=10V, Voltage Rating (DC)=10V, Width=0.049inch
C30: library part CMP-03020-026556-1, "CAP CER 100PF 10V X7R 0603", Capacitance="100 pF", Manufacturer=KEMET, Manufacturer Part Number=C0603C101K8RAC7867, Package=C0603C-CF, Temperature="-55°C to +125°C", Temperature Characteristic=X7R, Temperature Coefficient=30ppm/°C, Temperature Range High=+125°C, Temperature Range Low=-55°C, Tolerance=0.1, Voltage Rating="10 V", Automotive=Yes, Automotive Grade="Grade 1", Category=Cap, ComponentLink2Description=Datasheet, ComponentLink2URL=https://api.kemet.com/component-edge/download/datasheet/C0603C100J5GACAUTO.pdf, Device Class L1="Passive Components", Device Class L2=Capacitors, Device Class L3="Ceramic Capacitors", Digikey Description="CAP CER 100PF 10V X7R 0603", Height=0.87mm, Lead Free=Yes, Material=Ceramic, Octopart=https://octopart.com/c0603c101k8rac7867-kemet-83501928, RoHS=TRUE
C31 C32 C33: library part CMP-2006-04474-2, "General Purpose Ceramic Capacitor, 0603, 1uF, 10%, X5R, 15%, 6.3V", Capacitance=1uF, Case Code (Imperial)=0603, Case Code (Metric)=1608, Dielectric=X5R, Insulation Resistance=100GR, Max Operating Temperature=85°C, Min Operating Temperature=-55°C, Package Quantity=1, Tolerance=10%, Voltage=6.3V, Case/Package=0603, Construction=Flat, Contact Plating=Tin, Depth=0.81mm, Dissipation Factor=5%, Height=0.9mm, Lead Free="Lead Free", Length=1.6mm, Mount="Surface Mount", Number of Pins=2, Packaging="Tape and Reel", Radiation Hardening=No, REACH SVHC="No SVHC", RoHS Compliant=Yes, Series=-, Termination=SMD/SMT, Thickness=0.035inch, Voltage Rating=6.3V, Voltage Rating (DC)=6.3V, Width=0.032inch
C34: library part CMP-03422-000578-2, "CAP CER 2.2UF 50V X5R 0603", Capacitance=2.2uF, Case Code (Imperial)=0603, Case Code (Metric)=1608, Max Operating Temperature=85°C, Min Operating Temperature=-55°C, Tolerance=10%, Voltage Rating=50V, Case/Package=0603, Mount="Surface Mount", Packaging="Cut Tape", RoHS Compliant=Yes
C35 C36: library part CMP-13271-002885-1, "Cap Ceramic 1uF 35V X5R ±10% Pad SMD 0603 +85°C T/R", Capacitance=1uF, Case Code (Imperial)=0603, Case Code (Metric)=1608, Dielectric=X5R, Max Operating Temperature=85°C, Min Operating Temperature=-55°C, Package Quantity=1, Tolerance=10%, Voltage Rating=35V, Case/Package=0603, Contact Plating=Tin, Lead Free="Lead Free", Length=0.063inch, Mount="Surface Mount", Packaging="Tape and Reel", Termination=Wraparound, Thickness=0.035inch, Voltage Rating (DC)=35V, Width=0.031inch
D1: library part CMP-12225-000030-1, "TVS DIODE 22V 41V 1610", Breakdown Voltage=23.3V, Clamping Voltage=39V, Manufacturer=STMicroelectronics, Max Junction Temp=+150°C, Package=QFN_1610, Peak Pulse Current=35A, Peak Pulse Power=1400W, Reverse Standoff Voltage=22V, Temperature="-55°C to +150°C", Temperature Range Low=-55°C, Automotive=No, Category=Diode, ComponentLink2Description=Datasheet, ComponentLink2URL=https://www.st.com/resource/en/datasheet/esda25p35-1u1m.pdf, Device Class L1="Circuit Protection", Device Class L2="TVS Diodes", Device Class L3=unset, Digikey Description="TVS DIODE 22V 41V 1610", Direction=Unidirectional, Height=0.6mm, Lead Free=Yes, Manufacturer Part Number=ESDA25P35-1U1M, Mouser Description="ESDA Series 1400 W 25 V Uni-Directional Surface Mount TVS Diode - QFN-1610", Number Of Channels=1, Octopart=https://octopart.com/esda25p35-1u1m-stmicroelectronics-75302699, RoHS=TRUE, Standoff Height=0.02mm, Temperature Range High=+150°C
D2: library part CMP-2000-05789-1, "Super Bright Green LED, 62.5 mW, 25 mA, -40 to 85 degC, 2-Pin SMD, RoHS, Tape and Reel", Color=Green, Current - Test=20mA, Manufacturer=Kingbright, Millicandela Rating=15mcd, Package / Case=0603(1608Metric), Package Description="2-Pin Surface Mount Device, Body 0.8 x 1.6 mm", Standard Package=2,000, Voltage - Forward (Vf) (Typ)=2.2V, 3D Model="APT1608x.sldprt /  / APT1608x.pro /  / APT1608x.igs /  / APT1608x.stp", Catalog Drawings="APT1608SeriesTop /  / APT1608SeriesSide", Category=Optoelectronics, Datasheet URL=https://datasheet.ciiva.com/2113/apt1608sgc-2113808.pdf, Datasheet Version="Rev. 16B, 02/2012", Family=LEDIndication-Discrete, Height=0.75mm, Lens Style/Size=RectanglewithFlatTop,1.2mmx0.8mm, Lens Type=Clear, Manufacturer URL=http://www.kingbright.com/, Mounting Technology=SurfaceMount, Mounting Type=SurfaceMount, Online Catalog=0603RectanglewithFlatTopChipLEDs, Other Names=754-1121-2, Package Reference=APT1608SGC, Packaging=Tape&Reel(TR), Size / Dimension=1.60mmLx0.80mmW, Viewing Angle=120°, Wavelength - Dominant=568nm, Wavelength - Peak=565nm
D3 D8: library part CMP-1426-00003-4, "Led, Blue, 470 Nm, 3.2 V, 30 Ma, 145 Mcd Rohs Compliant: Yes", Case Code (Imperial)=0603, Case Code (Metric)=1608, Color=Blue, Forward Current=100mA, Forward Voltage=3.2V, Max Junction Temperature (Tj)=95°C, Max Operating Temperature=85°C, Max Reverse Voltage (DC)=5V, Min Operating Temperature=-40°C, Power Dissipation=105mW, Test Current=20mA, Case/Package=0603, Dominant Wavelength=470nm, Height=700µm, Length=1.6mm, Lens Style="Clear, Rectangular", Luminous Intensity=145mcd, Mount="Surface Mount", Packaging="Tape and Reel", Peak Wavelength=465nm, REACH SVHC=Unknown, Reverse Voltage=5V, RoHS=Compliant, Viewing Angle=140°, Wavelength=470nm, Width=800µm
D4: library part CMP-03913-90235567-2, "150060SS55040 WL-SMCD SMT Mono-color Chip LED Diffused", Forward Current=40mA, Forward Voltage=2V, Max Operating Temperature=85°C, Max Reverse Voltage (DC)=5V, Min Operating Temperature=-40°C, Dominant Wavelength=630nm, Height=400µm, Length=1.6mm, Luminous Intensity=70mcd, NexarPartId=90235567, Packaging="Tape and Reel", Peak Wavelength=645nm, RoHS=Compliant, Viewing Angle=140°, Wavelength=630nm, Width=800µm
D5: library part CMP-0404-00003-1, "LED, SMT, 0603(1608), 1.1mm thickness, Yellow", Forward Current="30 mA", Manufacturer=Kingbright, Power Dissipation="75 mW", Reverse Voltage="5 V", Storage Temperature="-40 to +85 degC", ComponentLink1Description="Manufacturer URL", ComponentLink1URL=http://www.kingbright.com/, ComponentLink2Description=Datasheet, ComponentLink2URL=http://www.kingbright.com/manager/upload/pdf/(1366274739)KP-1608SYCK(Ver.18B).pdf, Mounting Technology="Surface Mount", PackageDescription="2-Pin SMT LED, 1.6 x 0.8 mm Pitch", PackageReference=0603LED_YELLOW, Packing Type="2000 pcs / reel", PartNumber=KP-1608SYCK
D6: library part CMP-12790-000042-1, "DIODE SCHOTTKY 40V 1A DO41", Capacitance="110 pF", Forward Current=1A, Manufacturer="Diodes Inc.", Max Junction Temp=+125°C, Max Repetitive Reverse Voltage=40V, Max Surge Forward Current=25A, Package="DO-41 (Plastic)", Peak Reverse Current=1mA, Temperature="-65°C to +125°C", Temperature Range Low=-65°C, Automotive=No, Category=Diode, ComponentLink2Description=Datasheet, ComponentLink2URL=https://www.diodes.com/assets/Datasheets/ds23001.pdf, Device Class L1="Discrete Semiconductors", Device Class L2=Diodes, Device Class L3="Schottky Diodes", Digikey Description="DIODE SCHOTTKY 40V 1A DO41", Footprint Url=https://www.diodes.com/assets/Package-Files/DO-41-Plastic.pdf, Height=2.72mm, Ipc Land Pattern Name=DIOPA1091W105L521D272, Lead Free=Yes, Manufacturer Part Number=1N5819-T, Mouser Description="Schottky Diodes & Rectifiers Vr/40V Io/1A T/R", Octopart=https://octopart.com/1n5819-t-diodes+inc.-55389586, Reverse Voltage=40V, RoHS=TRUE, Temperature Range High=+125°C
D7: library part CMP-14398-000019-1, "DIODE SCHOTTKY 30V 2A SOT1061"
J1 J2: library part CMP-245163-000002-1, "CONN USB 2.0 TYPE-C R/A SMT", Current Rating=3/4.25/1.25/0.25A, Manufacturer=GCT, Package=0, Temperature="-40°C to +85°C", Temperature Range High=+85°C, Temperature Range Low=-40°C, Voltage Rating=20V, Automotive=No, Category=Conn, ComponentLink2Description=Datasheet, ComponentLink2URL=https://gct.co/files/drawings/usb4110.pdf, Conn Orientation="Right Angle", Contact Material=Gold,Nickel, Device Class L1=Connectors, Device Class L2="USB Connectors", Device Class L3=unset, Digikey Description="CONN USB 2.0 TYPE-C R/A SMT", Height=3.46mm, Is Female=yes, Lead Free=Yes, Manufacturer Part Number=USB4110-GF-A, Number Of Contacts=16, Octopart=https://octopart.com/usb4110-gf-a-gct-103941985, RoHS=TRUE, Shielding=true, Standoff Height=0.1mm, Usb Standard="USB 2.0"
J3: library part CMP-04776-000098-1, "CONN HEADER VERT 3POS 2.54MM", Current Rating=4A, Manufacturer=Molex, Temperature="-40°C to +80°C", Temperature Range High=+80°C, Temperature Range Low=-40°C, Voltage Rating=500V, Automotive=No, Category=Conn, ComponentLink2Description=Datasheet, ComponentLink2URL=https://www.molex.com/webdocs/datasheets/pdf/en-us/0022284030_PCB_HEADERS.pdf, Conn Gender=Male, Conn Orientation=Vertical, Contact Material=Gold,Nickel, Device Class L1=Connectors, Device Class L2="Headers and Wire Housings", Device Class L3=unset, Digikey Description="CONN HEADER VERT 3POS 2.54MM", Footprint Url=https://www.molex.com/pdm_docs/sd/022284030_sd.pdf, Height=8.88mm, Lead Free=Yes, Manufacturer Part Number=22-28-4030, Mouser Description="Headers & Wire Housings 3P VERT HEADER Sn", Number Of Contacts=3, Number of Rows=1, Octopart=https://octopart.com/0022284030-molex-10476094, Package=22-28-4030, Pitch=2.54mm, RoHS=TRUE
J4 J7: library part CMP-15228-000002-1, "CONN HEADER VERT 10POS 2.54MM", Color=Black, Flammability Rating="UL94 V-0", Max Operating Temperature=105°C, Min Operating Temperature=-40°C, Voltage Rating=250V, Connector Type=Header, Contact Finish - Mating=GOLD, Contact Material=Brass, Contact Plating=Gold, Contact Shape=Square, Contact Type="Male Pin", Fastening Type=Pull, Insulation Color=Black, Insulation Material=Glass, Mount="Through Hole", Number of Positions=10, Number of Rows=2, Packaging=Bulk, Pitch=0.1inch, Row Spacing=0.1inch, Series=302, Termination=Solder
J5 J6 J8 J9: library part CMP-1502-03324-2, Current Rating=16A, Max Operating Temperature=120°C, Min Operating Temperature=-30°C, Voltage Rating=300V, Contact Material="Nickel, Tin", Height=11.6mm, Lead Pitch=5mm, NexarPartId=78871135, Number Of Contacts=2, Number of Pins=2, Number of Rows=1, Packaging=Box, RoHS=Non-Compliant